# Altium PCB Brake Module PCB.PcbDoc (part 1 of 3) (continued)
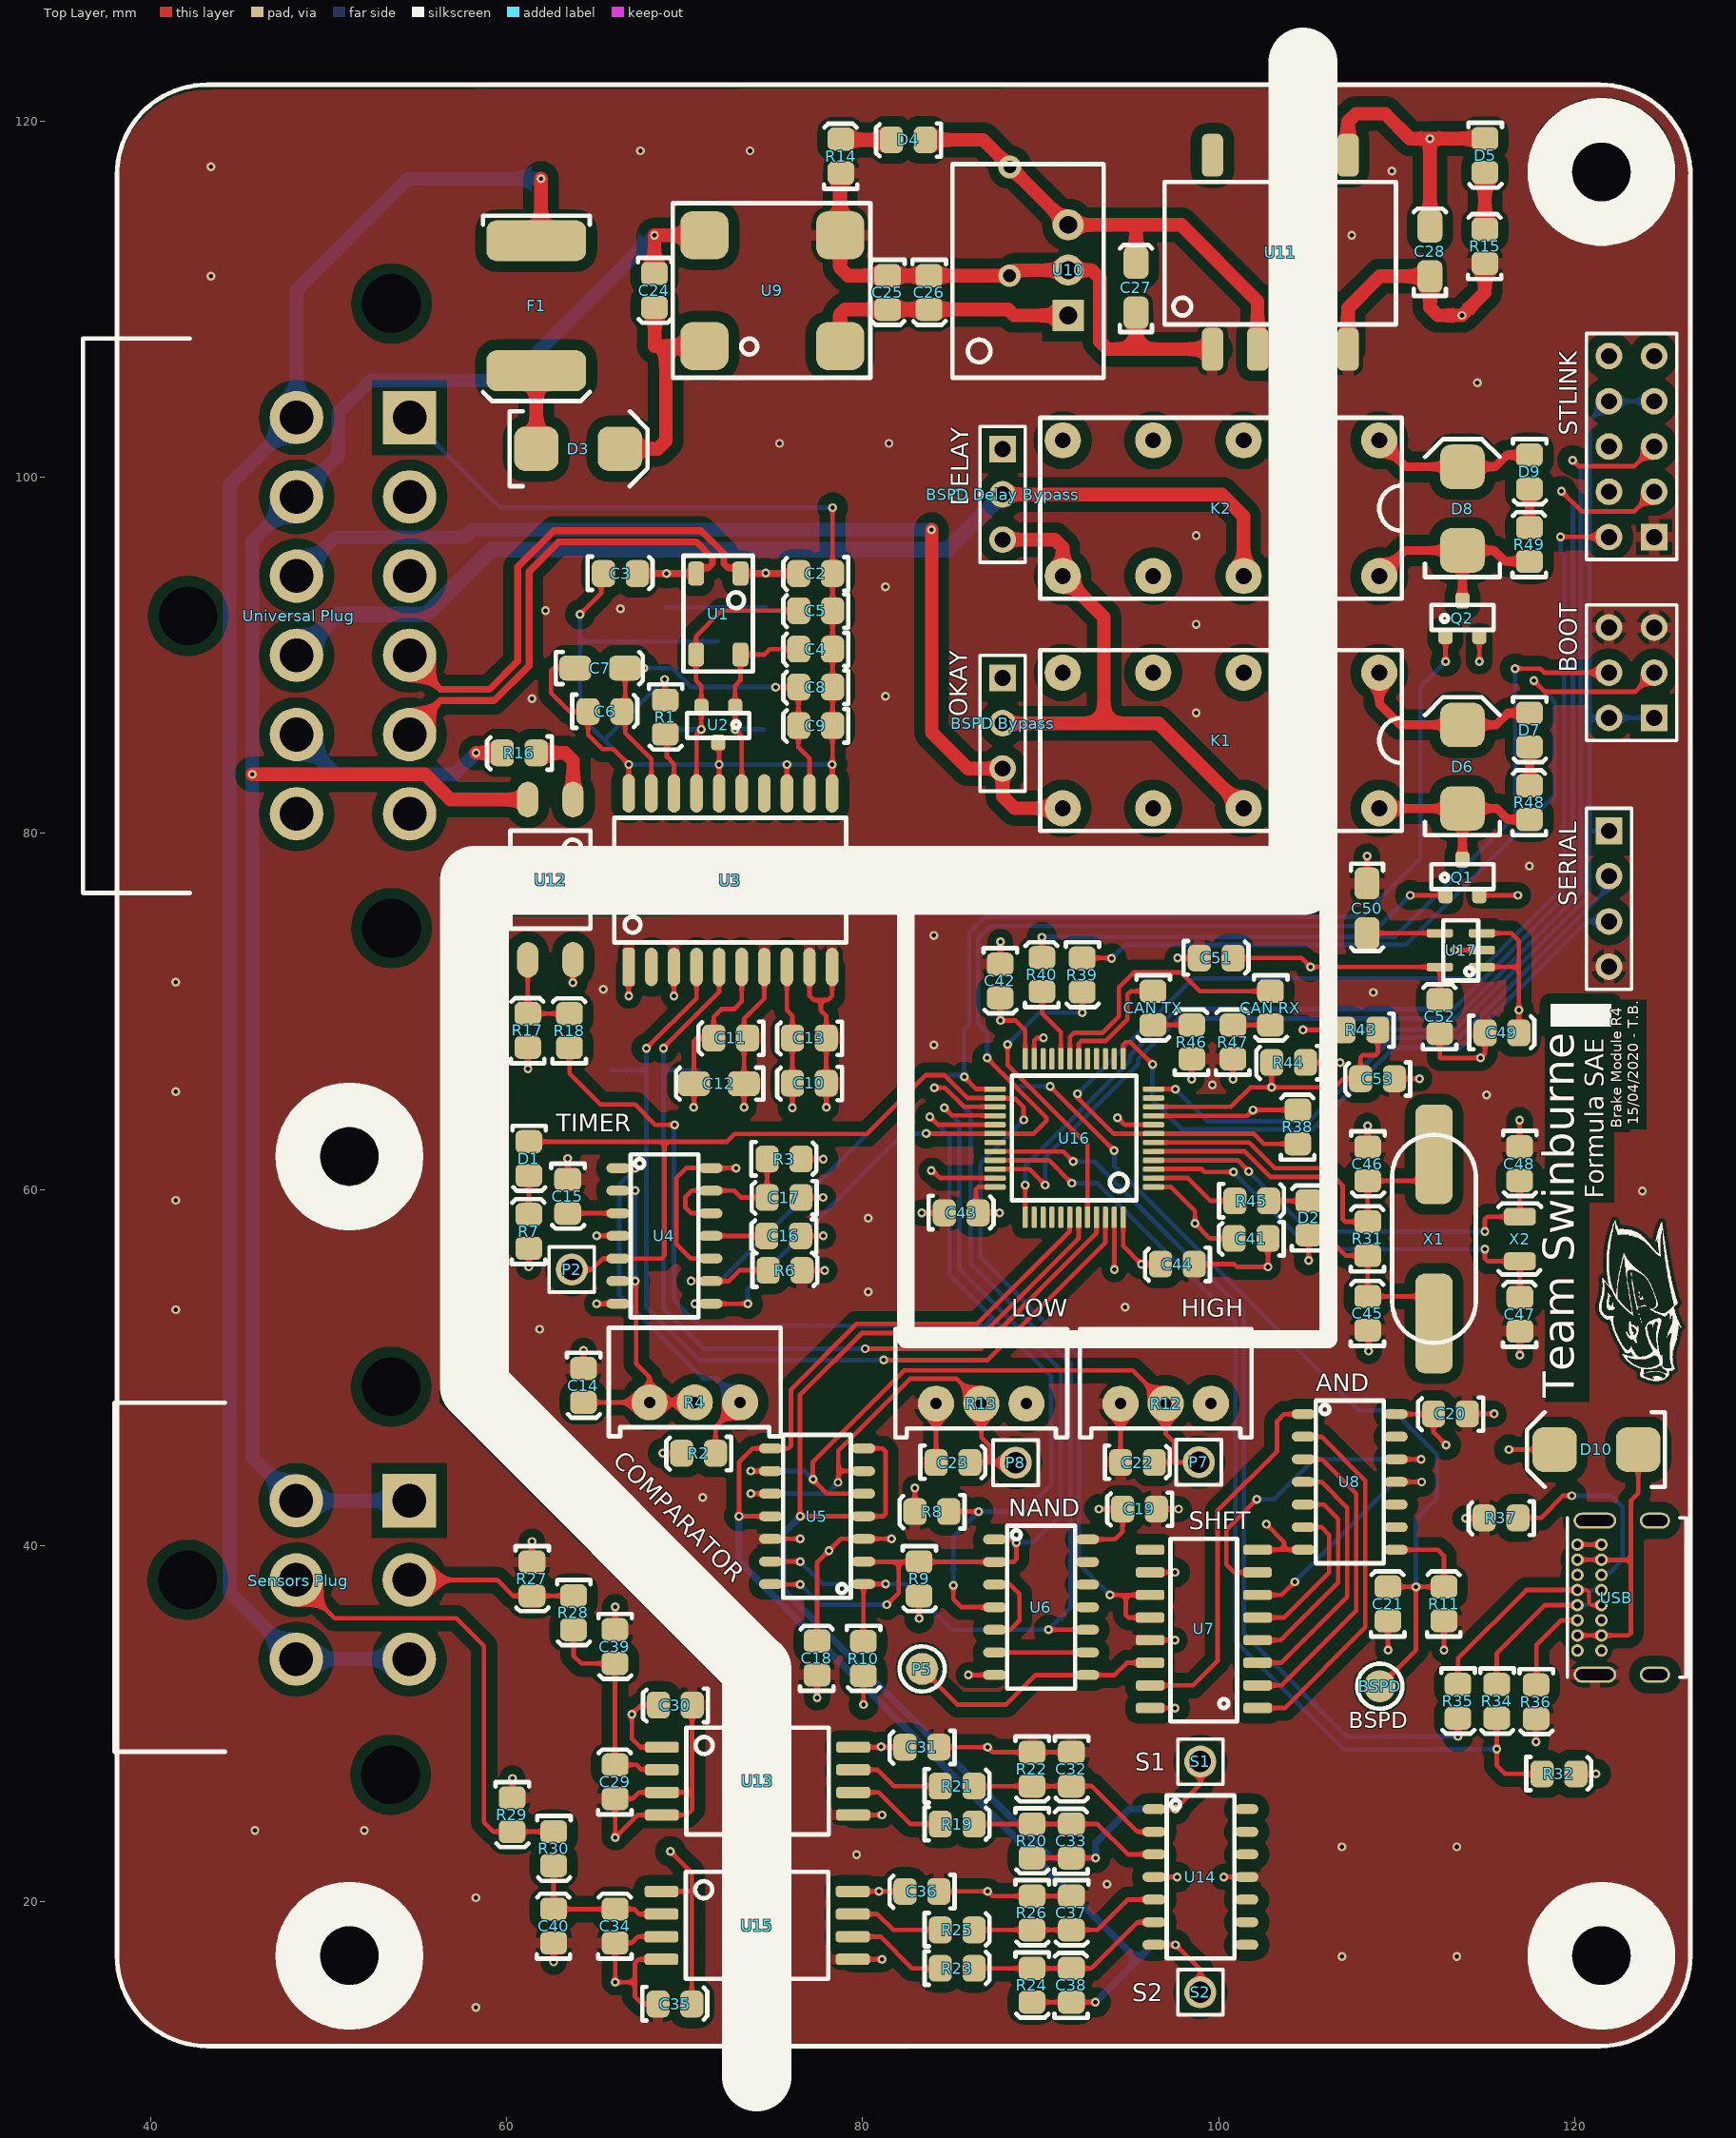
[diagram p0: Top Layer view]
## Design rules (kind name [scope] priority, off if disabled: settings)
Clearance [All] p1: gap=0.254 ignorepadtopadclearanceinfootprint=FALSE except(0: Arc-Hole Track-Hole SMDPad-Hole THPad-Hole Via-Hole Fill-Hole Poly-Hole Region-Hole Text-Hole; 0.1: THPad-THPad; 0.152: Arc-SMDPad Track-SMDPad SMDPad-SMDPad; 0.2: Arc-THPad Track-THPad SMDPad-THPad THPad-Via; 0.203: Arc-Arc Arc-Track Arc-Region Track-Track Track-Region SMDPad-Region THPad-Region Via-Region Fill-Region Poly-Region Region-Region; 0.6: Arc-Poly Track-Poly SMDPad-Poly THPad-Poly Via-Poly Fill-Poly Poly-Poly)
Clearance Clearance_CAN [InNet('CANL') or InNet('CANH')] p2: gap=0.5 ignorepadtopadclearanceinfootprint=FALSE except(0.1: Arc-THPad Arc-Hole Track-THPad Track-Hole SMDPad-THPad SMDPad-Hole THPad-THPad THPad-Hole Via-Hole Fill-Hole Poly-Hole Region-Hole Text-Hole; 0.152: Arc-SMDPad Track-SMDPad SMDPad-SMDPad; 0.2: THPad-Via; 0.203: Arc-Arc Arc-Track Track-Track; 0.254: Arc-Via Arc-Text Track-Via Track-Text SMDPad-Via SMDPad-Text THPad-Text Via-Via Via-Text Fill-Text Poly-Text Region-Text Text-Text) // DiffPair
DiffPairsRouting [InDifferentialPair('CANBUS')] p1: maxlimit=0.254 minlimit=0.254 mostfreqgap=0.254 toplayer_minwidth=0.381 toplayer_maxwidth=0.381 toplayer_prefwidth=0.381 bottomlayer_minwidth=0.381 bottomlayer_maxwidth=0.381 bottomlayer_prefwidth=0.381 maxuncoupledlength=12.7
Height [All] p1: minheight=0 maxheight=50 prefheight=12.7
HoleSize [All] p1: absolutevalues=TRUE maxlimit=10 minlimit=0.025 maxpercent=80.000 minpercent=20.000
MatchedLengths [InDifferentialPair('No Differential Pair')] p1: tolerance=25.4 checknetsindiffpair=FALSE checkdiffpairvsdiffpair=TRUE checkxsignals=TRUE checkothers=TRUE
MinimumSolderMaskSliver [All] p1: minsoldermaskwidth=0
PlaneClearance [All] p1: clearance=0.254
PlaneConnect [All] p1: pad.planeconnectstyle=Relief pad.reliefexpansion=0.508 pad.reliefentries=4 pad.reliefconductorwidth=0.8 pad.reliefairgap=0.254 via.planeconnectstyle=Direct via.reliefexpansion=0.508 via.reliefentries=4 via.reliefconductorwidth=0.8 via.reliefairgap=0.254
PolygonConnect [All] p1: thpad.connectstyle=Relief thpad.reliefconductorwidth=0.6 thpad.reliefentries=4 thpad.polygonreliefangle="90 Angle" thpad.airgapwidth=0.254 smdpad.connectstyle=Relief smdpad.reliefconductorwidth=0.6 smdpad.reliefentries=4 smdpad.polygonreliefangle="90 Angle" smdpad.airgapwidth=0.254 via.connectstyle=Direct via.reliefconductorwidth=0.6 via.reliefentries=4 via.polygonreliefangle="90 Angle" via.airgapwidth=0.254
RoutingVias [All] p1: holewidth=0.711 width=1.27 viastyle="Through Hole" minholewidth=0.203 minwidth=0.254 maxholewidth=0.711 maxwidth=1.27
SilkToSolderMaskClearance [IsPad] p1: minsilkscreentomaskgap=0 clearancetoexposedcopper=TRUE
SolderMaskExpansion [All] p1: expansion=0.051 istentingtop=FALSE
Width [All] p1: maxlimit=3 minlimit=0.127 preferedwidth=0.5
23 further rules are at their usual default settings.

## Classes and differential pairs
component class "U_Safety Loops": "BSPD Bypass" "BSPD Delay Bypass" D6 D7 D8 D9 K1 K2 Q1 Q2 R48 R49
component class "U_Power Supply": 0V "0V (ISO)" 5V "5V (ISO)" C24 C25 C26 C27 C28 D3 D4 D5 F1 GLV+ GLV- R14 R15 U9 U10 U11
component class U_Microcontroller: BOOT C41 C42 C43 C44 C45 C46 C47 C48 C49 C50 C51 C52 C53 "CAN RX" "CAN TX" D2 D10 R31 R32 R34 R35 R36 R37 R38 R39 R40 R43 R44 R45 R46 R47 SERIAL STLINK TEMP U16 U17 USB X1 X2
component class "U_Input Filter": C39 C40 R27 R28 R29 R30
component class U_CAN: C1 C2 C3 C4 C5 C6 C7 C8 C9 C10 C11 C12 C13 "CAN RX" "CAN TERM R1" "CAN TERM R2" "CAN TX" CANH CANL R1 U1 U2 U3
component class U_BSPD: 5kW BSPD C14 C15 C16 C17 C18 C19 C20 C21 C22 C23 Clock D1 "High P" "Low P" P2 P5 P7 P8 R2 R3 R4 R6 R7 R8 R9 R10 R11 R12 R13 S1 S2 U4 U5 U6 U7 U8
component class "Top Level": "Sensors Plug" "U_Sensor Plug" "Universal Plug"
component class U_Isolation: C29 C30 C31 C32 C33 C34 C35 C36 C37 C38 R16 R17 R18 R19 R20 R21 R22 R23 R24 R25 R26 "S1 AMP" "S2 AMP" U12 U13 U14 U15
differential pair CANBUS: +CANH_P -CANL_N

## Components (designator, comment, footprint, x,y, rotation, side; value= is the part's Value field where it differs from the comment)
0V "0mm" "SMD Test Point" 88.25,111.325 r90 bottom (schematic designator "0V TP")
"0V (ISO)" "0mm" "SMD Test Point" 113.665,109.094 r90 bottom (schematic designator "0V (ISO) TP")
5kW "0mm" "SMD Test Point" 85.097,37.759 r180 bottom
5V "0mm" "SMD Test Point" 88.265,117.424 r90 bottom (schematic designator "5V TP")
"5V (ISO)" "0mm" "SMD Test Point" 111.862,119.022 r90 bottom (schematic designator "5V (ISO) TP")
BOOT "2.54mm" "TH 2.54mm Header 2x3" 124.46,86.488 r90 top
BSPD "0mm" "SMD Test Point" 109.049,32.099 r90 top
"BSPD Bypass" "2.54mm" "TH 2.54mm Header 1x3" 87.859,88.723 r270 top
"BSPD Delay Bypass" "2.54mm" "TH 2.54mm Header 1x3" 87.859,101.575 r270 top
C1 "22pF" 0805 71.806,91.731 r270 bottom
C2 "100pF" 0805 77.343,94.567 r180 top
C3 "100pF" 0805 66.396,94.619 r0 top
C4 "100pF" 0805 77.343,90.323 r180 top
C5 "100pF" 0805 77.343,92.482 r180 top
C6 "100nF" 0805 65.532,86.868 r0 top
C7 "10nF" 1206 66.45,89.282 r0 top
C8 "10uF" 0805 77.343,88.189 r180 top
C9 "100nF" 0805 77.343,86.03 r180 top
C10 "10uF" 0805 76.989,65.939 r180 top
C11 "100nF" 0805 72.568,68.479 r180 top
C12 "10nF" 1206 70.718,65.939 r180 top
C13 "100nF" 0805 76.989,68.479 r180 top
C14 "10uF" 0805 64.338,48.979 r270 top
C15 "10pF" 0805 63.449,59.601 r270 top
C16 "100pF" 0805 75.547,57.367 r180 top
C17 "10uF" 0805 75.566,59.524 r180 top
C18 "100nF" 0805 77.409,33.695 r90 top
C19 "100nF" 0805 95.535,42.025 r180 top
C20 "100nF" 0805 113.005,47.372 r180 top
C21 "100nF" 0805 109.481,36.743 r90 top
C22 "100nF" 0805 95.447,44.693 r0 top
C23 "100nF" 0805 85.084,44.693 r0 top
C24 "10uF" 0805 68.322,110.475 r270 top
C25 "10uF" 0805 81.425,110.364 r270 top
C26 "10uF" 0805 83.75,110.364 r270 top
C27 "22uF" 1206 95.35,111.85 r90 top
C28 "22uF" 1206 111.862,113.889 r90 top
C29 "100nF" 0805 66.065,26.746 r90 top
C30 "100nF" 0805 69.457,31.013 r180 top
C31 "100nF" 0805 83.312,28.65 r180 top
C32 "100pF" 0805 91.746,27.429 r270 top
C33 "100pF" 0805 91.693,23.42 r90 top
C34 "100nF" 0805 66.065,18.644 r90 top
C35 "100nF" 0805 69.462,14.275 r0 top
C36 "100nF" 0805 83.312,20.549 r180 top
C37 "100pF" 0805 91.746,19.352 r270 top
C38 "100pF" 0805 91.693,15.317 r90 top
C39 "100nF" 0805 66.102,34.314 r270 top
C40 "100nF" 0805 62.609,18.644 r90 top
C41 "1uF" 0805 101.803,57.226 r180 top
C42 "100nF" 0805 87.741,71.697 r270 top
C43 "100nF" 0805 85.547,58.71 r0 top
C44 "100nF" 0805 97.663,55.778 r180 top
C45 "22pF" 0805 108.342,53.058 r90 top
C46 "22pF" 0805 108.394,61.42 r270 top
C47 "22pF" 0805 116.89,53.004 r90 top
C48 "22pF" 0805 116.927,61.435 r270 top
C49 "1uF" 0805 115.925,68.825 r0 top
C50 "22uF" 1206 108.33,74.592 r270 top
C51 "100nF" 0805 99.873,73.026 r0 top
C52 "1uF" 0805 112.394,69.723 r90 top
C53 "100nF" 0805 108.908,66.192 r180 top
"CAN RX" "0mm" "SMD Test Point" 65.837,66.7 r90 bottom (schematic designator "CAN RX TP")
"CAN RX" "Blue" "0805 LED" 102.932,70.176 r270 top
"CAN TERM R1" "56R" 0805 68.996,93.655 r90 bottom
"CAN TERM R2" "56R" 0805 74.523,93.631 r270 bottom
"CAN TX" "0mm" "SMD Test Point" 70.79,66.7 r90 bottom (schematic designator "CAN TX TP")
"CAN TX" "Blue" "0805 LED" 96.328,70.176 r270 top
CANH "0mm" "SMD Test Point" 68.758,85.839 r90 bottom (schematic designator "CANH TP")
CANL "0mm" "SMD Test Point" 74.447,85.839 r90 bottom (schematic designator "CANL TP")
Clock "0mm" "SMD Test Point" 93.892,37.225 r180 bottom (schematic designator P1)
D1 "Yellow" "0805 LED" 61.266,61.722 r270 top
D2 "Red" "0805 LED" 105.029,58.42 r90 top
D3 "SD560BTR" "SMB Diode" 61.91,101.601 r0 top
D4 "Red" "0805 LED" 82.55,118.925 r180 top
D5 "Red" "0805 LED" 114.981,118.06 r270 top
D6 "SD560BTR" "SMB Diode" 113.69,81.645 r90 top
D7 "Green" "0805 LED" 117.481,85.795 r270 top
D8 "SD560BTR" "SMB Diode" 113.69,96.14 r90 top
D9 "Green" "0805 LED" 117.481,100.29 r270 top
D10 "SD560BTR" "SMB Diode" 123.317,45.39 r180 top
F1 "0ZCF0100AF2A" 2920 61.66,113.285 r270 top
GLV+ "0mm" "SMD Test Point" 61.925,116.775 r90 bottom (schematic designator "GLV+ TP")
GLV- "0mm" "SMD Test Point" 68.296,113.594 r90 bottom (schematic designator "GLV- TP")
"High P" "0mm" "SMD Test Point" 88.628,40.172 r180 bottom (schematic designator P9)
K1 "V23105A5475A201" "TI 2-DIL" 100.127,85.218 r180 top
K2 "V23105A5475A201" "TI 2-DIL" 100.127,98.265 r180 top
"Low P" "0mm" "SMD Test Point" 90.449,35.281 r180 bottom (schematic designator P11)
P2 "0mm" "TH Test Point" 63.652,55.499 r0 top
P5 "0mm" "SMD Test Point" 83.337,33.071 r90 top
P7 "0mm" "TH Test Point" 98.882,44.679 r270 top
P8 "0mm" "TH Test Point" 88.595,44.654 r270 top
Q1 "2N7002K" "ON SOT-23 MOSFET" 113.69,77.521 r0 top
Q2 "2N7002K" "ON SOT-23 MOSFET" 113.69,92.076 r0 top
R1 "0R" 0805 68.935,86.515 r270 top
R2 "10k" 0805 70.764,45.161 r180 top
R3 "1M" 0805 75.59,61.734 r0 top
R4 "10K (Var)" "B 3296" 70.65,48.6 r0 top
R6 "20k" 0805 75.648,55.483 r0 top
R7 "1.5k" 0805 61.214,57.658 r90 top
R8 "20k" 0805 83.871,41.884 r180 top
R9 "3.3k" 0805 83.192,38.117 r270 top
R10 "3.3k" 0805 80.062,33.646 r270 top
R11 "10k" 0805 112.63,36.743 r90 top
R12 "10K (Var)" "B 3296" 97.111,48.528 r0 top
R13 "10K (Var)" "B 3296" 86.748,48.528 r0 top
R14 "680R" 0805 78.75,118.05 r90 top
R15 "680R" 0805 114.929,112.98 r90 top
R16 "680R" 0805 60.689,84.495 r180 top
R17 "10k" 0805 61.157,68.943 r90 top
R18 "100R" 0805 63.5,68.936 r90 top
R19 "10k" 0805 85.319,24.384 r0 top
R20 "10k" 0805 89.535,23.397 r270 top
R21 "10k" 0805 85.319,26.518 r0 top
R22 "10k" 0805 89.535,27.429 r270 top
R23 "10k" 0805 85.319,16.281 r0 top
R24 "10k" 0805 89.535,15.293 r270 top
R25 "10k" 0805 85.319,18.44 r0 top
R26 "10k" 0805 89.535,19.352 r270 top
R27 "200R" 0805 61.443,38.114 r270 top
R28 "1k" 0805 63.779,36.214 r270 top
R29 "200R" 0805 60.325,24.867 r270 top
R30 "1k" 0805 62.662,22.967 r270 top
R31 "10M" 0805 108.342,57.249 r90 top
R32 "1.5k" 0805 119.126,27.203 r0 top
R34 "20R" 0805 115.646,31.243 r270 top
R35 "20R" 0805 113.462,31.243 r270 top
R36 "5.1k" 0805 117.855,31.214 r270 top
R37 "5.1k" 0805 115.848,41.528 r180 top
R38 "10k" 0805 104.419,63.525 r90 top
R39 "10k" 0805 92.355,72.037 r270 top
R40 "10k" 0805 90.043,72.086 r90 top
R43 "10k" 0805 107.974,68.935 r180 top
R44 "10K (NTC) (B25/85 3430K)" 0805 103.911,67.107 r180 top
R45 "510R" 0805 101.865,59.384 r0 top
R46 "510R" 0805 98.461,68.3 r90 top
R47 "510R" 0805 100.773,68.3 r90 top
R48 "680R" 0805 117.429,81.745 r90 top
R49 "680R" 0805 117.429,96.24 r90 top
S1 "0mm" "TH Test Point" 98.968,27.864 r0 top
"S1 AMP" "0mm" "SMD Test Point" 97.578,25.197 r90 bottom (schematic designator "Sensor 1 AMP TP")
S2 "0mm" "TH Test Point" 98.968,14.91 r0 top
"S2 AMP" "0mm" "SMD Test Point" 97.578,17.577 r90 bottom (schematic designator "Sensor 2 AMP TP")
"Sensors Plug" "DT13-6P" DT13-6P 38.075,31.12 r270 top
SERIAL "2.54mm" "TH 2.54mm Header 1x4" 121.92,80.138 r270 top
STLINK "2.54mm" "TH 2.54mm Header 2x5" 124.46,96.648 r90 top
TEMP "0mm" "SMD Test Point" 102.973,65.737 r90 bottom (schematic designator "PCB TEMP")
U1 "B82787C0104H002" "TDK 4-PC Pad" 73.132,94.593 r270 top
U2 "NUP2105L" "ON SOT-23" 71.882,86.106 r180 top
U3 "ADM3053" "AD SOIC-W 20" 72.568,77.369 r0 top
U4 "NE556DR" "TI 14-SOIC" 63.657,42.153 r270 top
U5 "LMV339IDR" "TI 14-SOIC" 82.635,56.885 r90 top
U6 "SN74HC00DR" "TI 14-SOIC" 84.815,21.299 r270 top
U7 "MC74HC595ADR2G" "ON 16-SOIC" 99.286,30.875 r180 top
U8 "CD74HC30M96" "TI 14-SOIC" 102.157,28.335 r270 top
U9 "744272121" "Wurth 4-PC Pad" 78.725,113.594 r180 top
U10 "R-78C5.0-1.0" "RECOM 3-SIP" 91.542,109.094 r90 top
U11 "R2S-0505/HP" "RECOM 8-SMD (5 Pin)" 103.454,112.585 r0 top
U12 "LTV-817S-TA1" "ON 4-SMD" 62.453,77.147 r270 top
U13 "ACPL-C870" "BROAD 8-SOIC" 74.092,26.772 r270 top
U14 "LM324D" "TI 14-SOIC" 93.768,6.147 r270 top
U15 "ACPL-C870" "BROAD 8-SOIC" 74.066,18.669 r270 top
U16 "STM32F103C8T6" "STM 48-LQFP" 91.883,62.888 r90 top
U17 "RT9193-33GB" "RICHTEK SOT-23-5" 113.783,73.492 r90 top
"Universal Plug" "DT13-12P" DT13-12P 48.195,103.35 r270 top
USB "USB4085-GF-A" USB4085-GF-A 124.175,36.95 r90 top
X1 "8MHz" "Abracon HC-49/US" 112.09,57.225 r90 top
X2 "32.768kHz" "EPSON 2-SMD" 116.916,57.221 r90 top

## Footprints (in the part's own frame and the unit in brackets; to place one, negate y for a bottom-side part, rotate by r counter-clockwise, add the part's x,y. Pads: shape width x height; smd on the part's side, far side on the other; paste and mask are expansions set on the pad)
0805 [mm]
  rrect50% 1.3x1.5 smd: 1(-0.962,-0.026) 2(0.938,-0.026)
  silkscreen extent -1.85,-0.95 1.8,0.93, body extent -1,-0.65 1,0.66, height 0.73
"0805 LED" [mm]
  rrect50% 1.3x1.5 smd: A(-0.962,-0.026) K(0.938,-0.026)
  silkscreen extent -1.85,-0.95 1.8,0.93, body extent -1.1,-0.62 0.9,0.62, height 1
1206 [mm]
  rrect50% 1.8x1.4 smd: 1(-2.6,0) 2(0.2,0)
  silkscreen extent -3.7,-0.9 1.2,0.9, body extent -2.9,-0.9 0.5,0.9, height 1.85
2920 [mm]
  rrect50% 2.3x5.6 smd: 1(0,0) 2(7.3,0)
  silkscreen extent -1.4,-3 9,3, body extent -0.34,-2.81 7.64,2.81, height 1.14
"Abracon HC-49/US" [mm]
  rrect50% 5.6x2.1 smd: 1(-4.75,0) 2(4.75,0)
  silkscreen extent -5.85,-2.35 5.85,2.35, body extent -6.35,-2.35 6.35,2.35, height 4.06
"AD SOIC-W 20" [mil]
  rrect50% 28x85 smd: 1(-225,-192.02)
  oval 28x85 smd: 2(-175,-192.02) 3(-125,-192.02) 4(-75,-192.02) 5(-25,-192.02) 6(25,-192.02) 7(75,-192.02) 8(125,-192.02) 9(175,-192.02) 10(225,-192.02) 11(225,192.02) 12(175,191.98) 13(125,191.98) 14(75,191.98) 15(25,191.98) 16(-25,191.98) 17(-75,191.98) 18(-125,191.98) 19(-175,191.98) 20(-225,191.98)
  silkscreen extent -257,-138 256,138, body extent -260,-210 260,210, height 105
"B 3296" [mil]
  round 80 hole 25.2: 1(-103.39,-22) 2(-3.39,-22) 3(96.61,-22)
  silkscreen extent -193,-97 187,143, body extent -191,-97 184,143, height 455
"BROAD 8-SOIC" [mm]
  rrect50% 0.64x1.905 smd: 1(-1.905,-5.372) 2(-0.635,-5.372) 3(0.635,-5.372) 4(1.905,-5.372) 5(1.905,5.372) 6(0.635,5.372) 7(-0.635,5.372) 8(-1.905,5.372)
  silkscreen extent -3,-4 3,4, body extent -2.92,-5.75 2.92,5.75, height 3.68
DT13-6P [mm]
  round 3 hole 3.3 unplated: 0(-17.805,15.43) 0(-6.95,4) 0(4,15.4)
  rect 3x3 hole 1.9: 1(-11.4,16.45)
  round 3 hole 1.9: 2(-6.95,16.45) 3(-2.5,16.45) 4(-2.5,10.1) 5(-6.95,10.1) 6(-11.4,10.1)
  silkscreen extent -16.9,-0.1 2.7,6.1, body extent -29.9,-19.9 12.9,19.6, height 35.63
DT13-12P [mm]
  round 3 hole 3.3 unplated: 0(-6.405,5.33) 0(11.135,-6.1) 0(28.675,5.33)
  rect 3x3 hole 1.9: 1(0,6.35)
  round 3 hole 1.9: 2(4.45,6.35) 3(8.9,6.35) 4(13.35,6.35) 5(17.8,6.35) 6(22.25,6.35) 7(22.25,0) 8(17.8,0) 9(13.35,0) 10(8.9,0) 11(4.45,0) 12(0,0)
  silkscreen extent -4.45,-12 26.7,-6, body extent -18.6,-34.7 40.6,9.5, height 37.63
"EPSON 2-SMD" [mm]
  rrect50% 1x1.8 smd: 1(-1.25,0) 2(1.25,0)
  silkscreen extent -2,-1.2 2,1.2, body extent -1.5,-1 1.5,1, height 1
"ON 4-SMD" [mm] "SOP, 4-Leads, Body 3.85x4.4mm, Pitch 2.54mm, IPC Medium Density"
  oval 2x1.2 smd: 1(-4.75,1.27) 2(-4.75,-1.27) 3(4.25,-1.27) 4(4.25,1.27)
  silkscreen extent -3,-2.25 2.5,2.25, body extent -5.33,-2.3 4.83,2.3, height 4.6
"ON 16-SOIC" [mm]
  rrect50% 1.6x0.58 smd: 1(-2.89,0) 2(-2.89,-1.27) 3(-2.89,-2.54) 4(-2.89,-3.81) 5(-2.89,-5.08) 6(-2.89,-6.35) 7(-2.89,-7.62) 8(-2.89,-8.89) 9(3.14,-8.89) 10(3.14,-7.62) 11(3.14,-6.35) 12(3.14,-5.08) 13(3.14,-3.81) 14(3.14,-2.54) 15(3.14,-1.27) 16(3.14,0)
  silkscreen extent -1.75,-9.5 2,0.75, body extent -3.09,-9.4 3.14,0.6, height 1.75
"ON SOT-23" [mm] "NUP2105L"
  rrect50% 0.8x0.9 smd: 1(-0.95,-1) 2(0.95,-1) 3(0,1)
  silkscreen extent -1.75,-0.65 1.75,0.75, body extent -1.5,-1.27 1.5,1.28, height 1
"ON SOT-23 MOSFET" [mm] "NUP2105L"
  rrect50% 0.8x0.9 smd: D(0,1) G(-0.95,-1) S(0.95,-1)
  silkscreen extent -1.75,-0.65 1.75,0.75, body extent -1.5,-1.27 1.5,1.28, height 1
"RECOM 3-SIP" [mm] "12 to 42 Vdc In, 9 Vdc Out"
  rect 1.75x1.75 hole 1: 1(0,0)
  round 1.75 hole 1: 2(2.54,0) 3(5.08,0)
  silkscreen extent -3.5,-2 8.5,6.5, body extent -3.26,-2.02 8.34,6.48, height 11.41
"RECOM 8-SMD (5 Pin)" [mm]
  rrect50% 1.2x2.4 smd: 1(-3.81,-5.4) 2(-1.27,-5.4) 4(3.81,-5.4) 5(3.81,5.5) 8(-3.81,5.5)
  silkscreen extent -6.5,-4 6.5,4, body extent -6.37,-5.55 6.38,5.55, height 9.2
"RICHTEK SOT-23-5" [mil]
  rrect50% 19x58 smd: 1(-39.37,-39.37) 2(-1.97,-39.37) 3(35.43,-39.37) 4(35.43,53.63) 5(-39.37,53.63)
  silkscreen extent -69,-31 64,46, body extent -62,-51 58,67, height 57
"SMB Diode" [mm]
  rrect50% 2.5x2.5 smd: A(-0.25,0) K(4.45,0)
  silkscreen extent -1.75,-2.1 6,2.1, body extent -0.69,-1.97 4.9,1.97, height 2.5
"SMD Test Point" [mm]
  round 1.8 smd: 1(0,0)
  silkscreen extent -1.27,-1.27 1.27,1.27
"STM 48-LQFP" [mm]
  rrect50% 0.3x1.2 smd mask+0.05: 1(-2.75,-4.45) 2(-2.25,-4.45) 3(-1.75,-4.45) 4(-1.25,-4.45) 5(-0.75,-4.45) 6(-0.25,-4.45) 7(0.25,-4.45) 8(0.75,-4.45) 9(1.25,-4.45) 10(1.75,-4.45) 11(2.25,-4.45) 12(2.75,-4.45) 25(2.75,4.45) 26(2.25,4.45) 27(1.75,4.45) 28(1.25,4.45) 29(0.75,4.45) 30(0.25,4.45) 31(-0.25,4.45) 32(-0.75,4.45) 33(-1.25,4.45) 34(-1.75,4.45) 35(-2.25,4.45) 36(-2.75,4.45)
  rrect50% 1.2x0.3 smd mask+0.05: 13(4.45,-2.75) 14(4.45,-2.25) 15(4.45,-1.75) 16(4.45,-1.25) 17(4.45,-0.75) 18(4.45,-0.25) 19(4.45,0.25) 20(4.45,0.75) 21(4.45,1.25) 22(4.45,1.75) 23(4.45,2.25) 24(4.45,2.75) 37(-4.45,2.75) 38(-4.45,2.25) 39(-4.45,1.75) 40(-4.45,1.25) 41(-4.45,0.75) 42(-4.45,0.25) 43(-4.45,-0.25) 44(-4.45,-0.75) 45(-4.45,-1.25) 46(-4.45,-1.75) 47(-4.45,-2.25) 48(-4.45,-2.75)
  silkscreen extent -3.5,-3.5 3.5,3.5, body extent -4.6,-4.6 4.6,4.6, height 1.6
"TDK 4-PC Pad" [mm]
  rrect50% 1.35x0.9 smd: 1(0,0) 2(0,-2.5) 3(4.55,-2.5) 4(4.55,0)
  silkscreen extent -1,-3.2 5.5,0.7, body extent -0.02,-2.82 4.48,0.38, height 2.8
"TH 2.54mm Header 1x3" [mm]
  rect 1.5x1.5 hole 0.9: 1(0,0)
  round 1.5 hole 0.9: 2(2.54,0) 3(5.08,0)
  silkscreen extent -1.27,-1.27 6.35,1.27
"TH 2.54mm Header 1x4" [mm]
  rect 1.5x1.5 hole 0.9: 1(0,0)
  round 1.5 hole 0.9: 2(2.54,0) 3(5.08,0) 4(7.62,0)
  silkscreen extent -1.27,-1.27 8.89,1.27
"TH 2.54mm Header 2x3" [mm]
  rect 1.5x1.5 hole 0.9: 1(0,0)
  round 1.5 hole 0.9: 2(0,2.54) 3(2.54,0) 4(2.54,2.54) 5(5.08,0) 6(5.08,2.54)
  silkscreen extent -1.27,-1.27 6.35,3.81
"TH 2.54mm Header 2x5" [mm]
  rect 1.5x1.5 hole 0.9: 1(0,0)
  round 1.5 hole 0.9: 2(0,2.54) 3(2.54,0) 4(2.54,2.54) 5(5.08,0) 6(5.08,2.54) 7(7.62,0) 8(7.62,2.54) 9(10.16,0) 10(10.16,2.54)
  silkscreen extent -1.27,-1.27 11.43,3.81
"TH Test Point" [mm]
  round 1.8 hole 1.2: 1(0,0)
  silkscreen extent -1.27,-1.27 1.27,1.27
"TI 2-DIL" [mil]
  round 80 hole 35.43: 1(-350,-150) 4(-50,-150) 6(150,-150) 8(350,-150) 9(350,150) 11(150,150) 13(-50,150) 16(-350,150)
  silkscreen extent -400,-200 400,200, body extent -398,-197 398,197, height 450
"TI 14-SOIC" [mil]
  oval 22x52 smd: 1(-750,102.36) 2(-700,102.36) 3(-650,102.36) 4(-600,102.36) 5(-550,102.36) 6(-500,102.36) 7(-450,102.36) 8(-450,307.09) 9(-500,307.09) 10(-550,307.09) 11(-600,307.09) 12(-650,307.09) 13(-700,307.09) 14(-750,307.09)
  silkscreen extent -780,130 -420,280, body extent -770,86 -430,323, height 69
USB4085-GF-A [mm]
  round 0.7 hole 0.4: A1(-2.848,4.025) A4(-1.998,4.025) A5(-1.148,4.025) A6(-0.298,4.025) A7(0.552,4.025) A8(1.402,4.025) A9(2.252,4.025) A12(3.102,4.025) B1(3.102,2.675) B4(2.252,2.675) B5(1.402,2.675) B6(0.552,2.675) B7(-0.298,2.675) B8(-1.148,2.675) B9(-1.998,2.675) B12(-2.848,2.675)
  oval 0.9x2.4 hole 0.6 slot 2.1 at 90 deg: P1(-4.198,3.045) P2(4.452,3.045)
  oval 0.9x1.7 hole 0.6 slot 1.4 at 90 deg: P3(4.452,-0.335) P4(-4.198,-0.335)
  silkscreen extent -4.35,-2.07 4.6,4.58, body extent -4.39,-4.56 4.64,4.61, height 3.46
"Wurth 4-PC Pad" [mm]
  rrect50% 2.7x2.7 smd: 1(7.62,6.22) 2(0,6.22) 3(0,0) 4(7.62,0)
  silkscreen extent -1.7,-1.8 9.4,8, body extent -1.19,-1.24 8.81,7.46, height 6.2

## Part data
0V "0V (ISO)" 5kW 5V "5V (ISO)" BSPD "CAN RX" "CAN TX" CANH CANL Clock GLV+ GLV- "High P" "Low P" P5 "S1 AMP" "S2 AMP" TEMP: library part "SMD Test Point", Angle=0, Contact=NA, Flange=No, Part Number="SMD Test Point", Pitch=0mm, Positions=1, Row Spacing=0
BOOT: library part "TH 2.54mm Header 2x3", Angle=0, Contact=NA, Flange=No, Part Number="TH 2.54mm Header 2x3", Pitch=2.54mm, Positions=6, Row Spacing=2.54mm
"BSPD Bypass" "BSPD Delay Bypass": library part "TH 2.54mm Header 1x3", Angle=0, Contact=NA, Flange=No, Part Number="TH 2.54mm Header 1x3", Pitch=2.54mm, Positions=3, Row Spacing=2.54mm
C1 C45 C46 C47 C48: library part GRM21A5C2E220JW01D, Digikey Part Number=490-5534-1-ND, Manufacturer=muRata, Rated Voltage=250V, Tolerance=±5%, Material="C0G, NP0", Part Number=GRM21A5C2E220JW01D
C2 C3 C4 C5 C16 C32 C33 C37 C38: library part GCM2165C1H101JA16D, Digikey Part Number=490-8031-1-ND, Manufacturer=muRata, Rated Voltage=50V, Tolerance=±5%, Material="C0G, NP0", Part Number=GCM2165C1H101JA16D
C6 C9 C11 C13 C18 C20 C21 C22 C23 C29 C30 C31 C34 C35 C36 C39 C40 C42 C43 C44 C51 C53: library part GCM21BR71H104KA37L, Digikey Part Number=490-6064-1-ND, Manufacturer=muRata, Rated Voltage=50V, Tolerance=±10%, Material=X7R, Part Number=GCM21BR71H104KA37L
C7 C12: library part GCM3195C2A103JA16D, Digikey Part Number=490-4978-2-ND, Manufacturer=muRata, Rated Voltage=100V, Tolerance=5%, Material=Ceramic, Part Number=GCM3195C2A103JA16D
C8 C10 C14 C17 C24 C25 C26: library part GRM21BR6YA106KE43L, Digikey Part Number=490-10514-6-ND, Manufacturer=muRata, Rated Voltage=50V, Tolerance=10%, Material=X5R, Part Number=GRM21BR6YA106KE43L
C15: library part GRM21A5C2E100JW01D, Digikey Part Number=490-5530-1-ND, Manufacturer=muRata, Rated Voltage=250V, Tolerance=±5%, Material="C0G, NP0", Part Number=GRM21A5C2E100JW01D
C19: library part GCM21BR71E104KA37L, Manufacturer=muRata, Rated Voltage=25V, Tolerance=10%, Material=X7R, Part Number=GCM21BR71E104KA37L
C27 C28 C50: library part CC1206MKX5R7BB226, Digikey Part Number=311-1997-2-ND, Manufacturer=YAGEO, Rated Voltage=16V, Tolerance=20%, Material=Ceramic, Part Number=CC1206MKX5R7BB226
C41 C49 C52: library part AC0805KKX7R8BB105, Manufacturer=YAGEO, Rated Voltage=25V, Tolerance=10%, Material=X7R, Part Number=AC0805KKX7R8BB105
"CAN RX" "CAN TX": library part SML-MN2BCTT86C, "LED BLUE CLEAR 2012 SMD", Digikey Part Number=846-1207-1-ND, Manufacturer="ROHM Semiconductor", Colour=Blue, Digikey Link=https://www.digikey.com/product-detail/en/rohm-semiconductor/SMLMN2BCTT86C/846-1207-1-ND/6057239, Part Number=SML-MN2BCTT86C
"CAN TERM R1" "CAN TERM R2": library part RC0805FR0756RL, Manufacturer=YAGEO, Rated Voltage=0.125W, Tolerance=0.01, Material=FR-07, Part Number=RC0805FR0756RL
D1: library part SML-211YTT86, "Yellow LED Indication - Discrete 1.75V 0805 (2012 Metric)", Digikey Part Number=511-1293-1-ND, Manufacturer="ROHM Semiconductor", Colour=Yellow, Digikey Link=https://www.digikey.com/product-detail/en/rohm-semiconductor/SML-211YTT86/511-1293-1-ND/637106, Part Number=SML-211YTT86
D2 D4 D5: library part SML-210LTT86, "Red LED Indication - Discrete 1.75V 0805 (2012 Metric)", Digikey Part Number=511-1286-1-ND, Manufacturer="ROHM Semiconductor", Colour=Red, Digikey Link=https://www.digikey.com/product-detail/en/rohm-semiconductor/SML-210LTT86/511-1286-1-ND/637099, Part Number=SML-210LTT86
D3 D6 D8 D10: "1.2V_F 600V 5A SMB", Digikey Part Number=1655-1530-2-ND, Manufacturer="SMC Diode Solutions", Digikey Link=https://www.digikey.com/product-detail/en/smc-diode-solutions/SD560BTR/1655-1530-2-ND/6022620, Part Number=SD560BTR
D7 D9: library part SML-210FTT86, "Green LED Indication - Discrete 1.75V 0805 (2012 Metric)", Digikey Part Number=511-1285-1-ND, Manufacturer="ROHM Semiconductor", Colour=Green, Digikey Link=https://www.digikey.com/product-detail/en/rohm-semiconductor/SML-210FTT86/511-1285-1-ND/637098, Part Number=SML-210FTT86
F1: "PTC RESET FUSE 60V 1A 292", Digikey Part Number=507-2070-1-ND, Manufacturer="Littelfuse Inc.", Digikey Link=https://www.digikey.com/product-detail/en/bel-fuse-inc/0ZCF0100AF2A/507-2070-1-ND/6210547, Part Number=0ZCF0100AF2A
K1 K2: "5V DPDT Relay 3A 220VDC", Digikey Part Number=PB383-ND, Manufacturer=Axicom, Digikey Link=https://www.digikey.com/products/en?mpart=V23105A5001A201&v=41, Part Number=V23105A5475A201
P2 P7 P8 S1 S2: library part "TH Test Point", Angle=0, Contact=NA, Flange=No, Part Number="TH Test Point", Pitch=0mm, Positions=1, Row Spacing=0mm
Q1 Q2: "60V 380mA, NFET MOSTFET (Small Signal)", Digikey Part Number=2N7002KCT-ND, Manufacturer="ON Semiconductor", Digikey Link=https://www.digikey.com/product-detail/en/on-semiconductor/2N7002K/2N7002KCT-ND/2060375, LatestRevisionDate=29-May-2009, LatestRevisionNote="IPC-7351 Footprint Added.", PackageDescription="4-Pin SOT-343 Package 1.3 mm Pitch, 2.1 mm Lead Span", PackageReference=SOT-343, PackageVersion=Sep-2000, Part Number=2N7002K, Published=24-Mar-1999, Publisher="Altium Limited", Qty=30
R1: library part RC0805FR070RL, Manufacturer=YAGEO, Rated Voltage=0.125W, Tolerance=0.01, Material=FR-07, Part Number=RC0805FR070RL
R2 R11 R17 R19 R20 R21 R22 R23 R24 R25 R26 R40 R43: library part RC0805FR0710KL, Manufacturer=YAGEO, Rated Voltage=0.125W, Tolerance=0.01, Material=FR-07, Part Number=RC0805FR0710KL
R3: library part RC0805FR071ML, Manufacturer=YAGEO, Rated Voltage=0.125W, Tolerance=0.01, Material=FR-07, Part Number=RC0805FR071ML
R4 R12 R13: library part 3296W-1-103LF, Digikey Part Number=3296W-103LF-ND, Manufacturer="Bournes Inc", Rated Voltage=0.5W, Tolerance=0.1, Part Number=3296W-1-103LF
R6 R8: library part RC0805FR0720KL, Manufacturer=YAGEO, Rated Voltage=0.125W, Tolerance=0.01, Material=FR-07, Part Number=RC0805FR0720KL
R7 R32: library part RC0805FR071K5L, Manufacturer=YAGEO, Rated Voltage=0.125W, Tolerance=0.01, Material=FR-07, Part Number=RC0805FR071K5L
R9 R10: library part RC0805FR073K3L, Manufacturer=YAGEO, Rated Voltage=0.125W, Tolerance=0.01, Material=FR-07, Part Number=RC0805FR073K3L
R14 R15 R16 R48 R49: library part RC0805FR07680RL, Manufacturer=YAGEO, Rated Voltage=0.125W, Tolerance=0.01, Material=FR-07, Part Number=RC0805FR07680RL
R18: library part RC0805FR07100RL, Manufacturer=YAGEO, Rated Voltage=0.125W, Tolerance=0.01, Material=FR-07, Part Number=RC0805FR07100RL
R27 R29: library part RC0805FR07200RL, Manufacturer=YAGEO, Rated Voltage=0.125W, Tolerance=0.01, Material=FR-07, Part Number=RC0805FR07200RL
R28 R30: library part RC0805FR071KL, Manufacturer=YAGEO, Rated Voltage=0.125W, Tolerance=0.01, Material=FR-07, Part Number=RC0805FR071KL
R31: library part RC0805FR0710ML, Manufacturer=YAGEO, Rated Voltage=0.125W, Tolerance=0.01, Material=FR-07, Part Number=RC0805FR0710ML
R34 R35: library part RC0805FR0720RL, Manufacturer=YAGEO, Rated Voltage=0.125W, Tolerance=0.01, Material=FR-07, Part Number=RC0805FR0720RL
R36 R37: library part RC0805FR075K1L, Manufacturer=YAGEO, Rated Voltage=0.125W, Tolerance=0.01, Material=FR-07, Part Number=RC0805FR075K1L
R38 R39: library part RC0805FR0710KL, Digikey Part Number=311-10.0KCRCT-ND, Manufacturer=YAGEO, Rated Voltage=0.125W, Tolerance=0.01, Material=FR-07, Part Number=RC0805FR0710KL
R44: library part NTCS0805E3103FLT, Digikey Part Number=BC2733CT-ND, Manufacturer="Vishay Beyschlag", Rated Voltage=210mW, Tolerance=0.01, Part Number=NTCS0805E3103FLT
R45 R46 R47: library part RC0805FR07510RL, Manufacturer=YAGEO, Rated Voltage=0.125W, Tolerance=0.01, Material=FR-07, Part Number=RC0805FR07510RL
"Sensors Plug": library part DT13-6P[[/\]]DT13-6P, Digikey Part Number=1734-1025-ND, Angle=90, Contact="Copper Alloy", Digikey Link=https://www.digikey.com/product-detail/en/te-connectivity-deutsch-connectors/DT13-6P/1734-1025-ND/6566589, Flange=Yes, Part Number=DT13-6P, Pitch=4.44mm, Positions=6, Row Spacing=6.35mm
SERIAL: library part "TH 2.54mm Header 1x4", Angle=0, Contact=NA, Flange=No, Part Number="TH 2.54mm Header 1x4", Pitch=2.54mm, Positions=4, Row Spacing=2.54mm
STLINK: library part "TH 2.54mm Header 2x5", Angle=0, Contact=NA, Flange=No, Part Number="TH 2.54mm Header 2x5", Pitch=2.54mm, Positions=10, Row Spacing=2.54mm
U1: "100µH @ 100kHz 2 Line Common Mode Choke Surface Mount 5.8 kOhms @ 10MHz 150mA DCR 2Ohm", Digikey Part Number=495-4598-1-ND, Inductance="100µH @ 100kHz", Manufacturer="EPCOS (TDK)", Rated Current=150mA, Digikey Link=https://www.digikey.com/product-detail/en/epcos-tdk/B82787C0104H002/495-4598-2-ND/3680998, Impedence="5.8 kOhms @ 10MHz", Material=Wirewound, Part Number=B82787C0104H002
U2: "Dual Line CAN Bus Protector", Digikey Part Number=NUP2105LT1GOSCT-ND, Manufacturer="ON Semiconductor", Digikey Link=https://www.digikey.com/product-detail/en/on-semiconductor/NUP2105LT1G/NUP2105LT1GOSCT-ND/1485001, Part Number=NUP2105L
U3: "Isolated CAN Transceiver", Digikey Part Number=ADM3053BRWZ-ND, Manufacturer="Analogue Devices", Digikey Link=https://www.digikey.com/product-detail/en/analog-devices-inc/ADM3053BRWZ/ADM3053BRWZ-ND/2709332, Part Number=ADM3053
U4: "IC OSC TIMER DUAL 100KHZ 14SOIC", Digikey Part Number=296-26240-1-ND, Manufacturer="Texas Instruments", Digikey Link=https://www.digikey.com/product-detail/en/texas-instruments/NE556DR/296-26240-1-ND/2254905, Part Number=NE556DR
U5: "Comparator General Purpose Open Collector 14-SOIC", Digikey Part Number=296-6611-2-ND, Manufacturer="Texas Instruments", Digikey Link=https://www.digikey.com/product-detail/en/texas-instruments/LMV339MTX-NOPB/296-35446-1-ND/3739150, Part Number=LMV339IDR
U6: "NAND Gate IC 4 Channel 14-SOIC", Digikey Part Number=296-1187-2-ND, Manufacturer="Texas Instruments", Digikey Link=https://www.digikey.com.au/product-detail/en/texas-instruments/SN74HC00DR/296-1187-2-ND/276830, Part Number=SN74HC00DR
U7: "IC SHIFT REGISTR 8BIT 3ST 16SOIC", Digikey Part Number=MC74HC595ADR2GOSCT-ND, Manufacturer="ON Semiconductor", Digikey Link=https://www.digikey.com/product-detail/en/on-semiconductor/MC74HC595ADR2G/MC74HC595ADR2GOSCT-ND/1139727, Part Number=MC74HC595ADR2G
U8: "IC GATE NAND 1CH 8-INP 14SOIC", Digikey Part Number=296-14521-1-ND, Manufacturer="Texas Instruments", Digikey Link=https://www.digikey.com/product-detail/en/texas-instruments/CD74HC30M96/296-14521-1-ND/555580, Part Number=CD74HC30M96
U9: "120µH @ 100kHz 2 Line Common Mode Choke Surface Mount 460 Ohms @ 30MHz 2.5A DCR 25mOhm", Digikey Part Number=732-1489-1-ND, Inductance="120uH @ 100kHz", Manufacturer="Wurth Electronics Inc", Rated Current=2.5A, Digikey Link=https://www.digikey.com/product-detail/en/w-rth-elektronik/744272121/732-1489-1-ND/1639501, Impedence="460 Ohms @ 30MHz", Material=Wirewound, Part Number=744272121
U10: "CONV DC/DC 1A 5V OUT SIP VERT", Digikey Part Number=945-1395-5-ND, Manufacturer=Recom, Digikey Link=https://www.digikey.com.au/product-detail/en/recom-power/R-78C5.0-1.0/945-1395-5-ND/2652148, Isolation=Non-Isolated, Part Number=R-78C5.0-1.0
U11: "Isolated Module DC DC Converter 1 Output 3.3V 606mA 4.5V - 5.5V Input", Digikey Part Number=945-1764-5-ND, Input Voltage=4.5V-5.5V, Manufacturer=Recom, Output Power=2W, Output Voltage=5V, Digikey Link=https://www.digikey.com/product-detail/en/recom-power/R2S-0505-HP/945-1764-5-ND/2302761, Efficiency=0.85, Isolation=Isolated, Part Number=R2S-0505/HP
U12: "35V 50ma Optocoupler (VF=1.2V)", Digikey Part Number=160-1893-2-ND, Manufacturer="Lite-On Inc", Digikey Link=https://www.digikey.com/product-detail/en/lite-on-inc/LTV-817S-TA1/160-1893-2-ND/388451, Part Number=LTV-817S-TA1
U13 U15: "Isolation Amplifier 1 Circuit Differential 8-SO", Digikey Part Number=516-2578-5-ND, Manufacturer="Broadcom Limited", Digikey Link=https://www.digikey.com/product-detail/en/broadcom-limited/ACPL-C870-000E/516-2578-5-ND/3523705, Part Number=ACPL-C870
U14: "IC OPAMP GP 4 CIRCUIT 14SOIC", Digikey Part Number=296-1390-5-ND, Manufacturer="Texas Instruments", Digikey Link=https://www.digikey.com/product-detail/en/texas-instruments/LM324D/296-1390-5-ND/277039, Part Number=LM324D
U16: "ARM® Cortex®-M3 STM32F1 Microcontroller IC 32-Bit 72MHz 64KB (64K x 8) FLASH", Digikey Part Number=497-6063-ND, Manufacturer=STMicroelectronics, Digikey Link=https://www.digikey.com/product-detail/en/stmicroelectronics/STM32F103C8T6/497-6063-ND/1646338, Part Number=STM32F103C8T6
U17: "IC REG LINEAR 3.3V 300MA SOT23-5", Digikey Part Number=1028-1014-1-ND, Manufacturer=Richtek, Digikey Link=https://www.digikey.com/products/en?keywords=1028-1014-1-ND, Part Number=RT9193-33GB
"Universal Plug": library part DT13-12P[[/\]]DT13-12P, Digikey Part Number=1734-1451-ND, Angle=90, Contact=Nickel, Digikey Link=https://www.digikey.com.au/product-detail/en/te-connectivity-deutsch-connectors/DT13-12PA/1734-1451-ND/7220123, Flange=Yes, Part Number=DT13-12P, Pitch=4.44mm, Positions=12, Row Spacing=6.35mm
USB: "USB - C (Type - C) USB 2.0 Receptacle Connector 16 Position Through Hole, Right Angle", Digikey Part Number=2073-USB4085-GF-ACT-ND, Angle=90, Digikey Link=https://www.digikey.ee/product-detail/en/gct/USB4085-GF-A/2073-USB4085-GF-ACT-ND/9859733, Part Number=USB4085-GF-A
X1: library part ABLS-8.000MHZ-B4-T, Digikey Part Number=535-10212-2-ND, Load Capacitance=18pF, Manufacturer="Abracon LLC", Digikey Link=https://www.digikey.com/product-detail/en/abracon-llc/ABLS-8.000MHZ-B4-T/535-10212-2-ND/2184155, ESR=80R, Part Number=ABLS-8.000MHZ-B4-T
X2: library part "FC-135 32.7680KA-A5", Digikey Part Number=SER4103TR-ND, Load Capacitance=12.5pF, Manufacturer=EPSON, Digikey Link=https://www.digikey.com/product-detail/en/epson/FC-135-32.7680KA-A5/SER4103TR-ND/5259895, ESR=70k, Part Number="FC-135 32.7680KA-A5"

## Free pads (board coordinates)
  round 1.524 hole 3.3: 2(51.161,16.967) 2(51.161,61.9) 2(121.5,16.967) 2(121.5,117.15)

## Via types
v1: diameter 0.5, hole 0.25, Top Layer to Bottom Layer, tented both sides, 220 vias
v2: diameter 1.27, hole 0.711, Top Layer to Bottom Layer, tented both sides, 2 vias
v3: diameter 0.5, hole 0.255, Top Layer to Bottom Layer, tented both sides, 1 vias

## Nets (pads, with @x,y where several pads share a name; then routed paths per layer and width w, separated by ;. In a path a pad name is that pad's centre, name@x,y a point inside that pad or via, vN(x,y) a via of type N, cw(c..) or ccw(c..) an arc to the next point about the centre after c; other vN are vias at no path point)
0V: 0V.1 C25.1 C26.1 C27.1 C29.1 C30.1 C34.1 C35.1 C39.1 C40.1 R14.1 R27.1 R29.1 U9.3 U10.2 U11.1 U13.3 U13.4 U15.3 U15.4 | length 65.8
  Top Layer w0.254: R29.1@60.314,25.829 v1(60.314,26.927) ; R27.1@61.416,39.076 v1(61.416,40.234) ; v1(62.636,16.612) C40.1@62.636,17.707 ; C39.1@66.092,35.276 v1(66.092,36.551) ; C35.1@68.5,14.249 68.492,14.257 67.618,14.257 67.2,14.675 67.2,15.475 ; U15.4@68.694,16.764 67.414,16.764 67.2,16.55 67.2,15.475 ; U15.3@68.694,18.034 67.386,18.034 67.034,17.682 C34.1@66.092,17.682 v1(66.092,15.475) 67.2,15.475 ; C30.1@70.412,31.032 70.412,26.137 ; 70.412,26.137 70.412,25.175 70.104,24.867 U13.4@68.719,24.867 67.358,24.867 v1(66.092,23.6) C29.1@66.092,25.784 67.085,25.784 67.437,26.137 U13.3@68.719,26.137 70.412,26.137
  Top Layer w0.762: U9.3@78.725,113.594 78.725,111.772 79.171,111.325 C25.1@81.399,111.325 C26.1@83.724,111.325 v2(88.25,111.325) 88.558,111.634 92.873,111.634 93.32,111.187 93.32,107.635 93.766,107.189 95.352,107.189 ; U9.3@78.725,113.594 R14.1@78.725,117.088 ; C27.1@95.352,109.25 95.352,107.189 ; U11.1@99.797,107.189 95.352,107.189
  other v1: 58.268,14.068 58.268,20.218 45.85,24 52,24 41.4,53.242 41.4,59.392 41.4,65.5 41.4,71.65 98.73,86.766 61.417,87.563 81.28,87.703 98.73,91.745 62.179,92.516 66.396,92.617 81.28,93.853 98.73,96.723 75.325,101.9 81.475,101.9 43.381,111.296 43.381,117.446 67.517,118.337 73.667,118.337
"0V (ISO)": "0V (ISO).1" BOOT.5 BOOT.6 C10.1 C11.1 C12.1 C13.1 C14.1 C15.1 C16.1 C17.1 C18.1 C19.1 C20.1 C21.1 C22.1 C23.1 C28.1 C31.1 C32.1 C36.1 C37.1 C41.1 C42.1 C43.1 C44.1 C45.1 C46.1 C47.1 C48.1 C49.1 C50.1 C51.1 C52.1 C53.1 Q1.S Q2.S R6.2 R7.1 R8.2 R11.1 R12.1 R13.1 R15.1 R17.1 R22.1 R26.1 R36.2 R37.2 R44.1 R46.1 R47.1 SERIAL.4 STLINK.1 U3.1 U3.3 U3.7 U3.9 U3.10 U4.7 U5.12 U6.7 U7.8 U7.13 U8.7 U11.4 U13.5 U14.11 U15.5 U16.8 U16.23 U16.35 U16.47 U17.2 USB.A1 USB.A12 USB.B1 USB.B12 USB.P1 | length 136.8
  Top Layer w0.254: v1@61.183,66.777 R17.1@61.183,67.981 ; v3(61.24,55.65) R7.1@61.24,56.696 ; C15.1@63.423,60.525 v1(63.423,61.738) ; C14.1@64.312,49.941 v1(64.313,50.952) ; v1(65.055,53.583) U4.7@66.257,53.583 ; v1(66.853,70.869) U3.1@66.853,72.492 ; v1(69.393,70.869) U3.3@69.393,72.492 ; v1(73.33,64.618) 73.33,69.597 74.473,70.74 U3.7@74.473,72.492 ; U5.12@74.835,40.375 v1(76.479,40.375) ; C16.1@76.509,57.393 v1(77.782,57.393) ; C17.1@76.528,59.55 v1(77.775,59.55) ; R6.2@76.586,55.456 v1(77.864,55.456) ; U3.9@77.013,72.492 77.013,70.869 77.232,70.65 77.648,70.65 ; v1(77.435,31.459) C18.1@77.435,32.733 ; v1(77.951,64.616) C10.1@77.951,65.965 77.951,69.749 77.648,70.052 77.648,70.65 ; U3.10@78.283,72.492 78.283,70.869 78.064,70.65 77.648,70.65 ; U15.5@79.439,16.764 v1(81.077,16.764) ; U13.5@79.464,24.867 v1(81.077,24.867) ; R8.2@82.933,41.911 v1(82.933,43.229) ; v1(83.312,58.684) C43.1@84.585,58.684 ; v1(83.851,61.062) 83.922,61.062 84.34,60.644 87.427,60.644 U16.35@87.433,60.638 ; C23.1@84.122,44.667 R13.1@84.122,47.969 ; C36.1@84.274,20.575 87.032,20.575 87.292,20.314 C37.1@91.719,20.314 ; C31.1@84.274,28.677 v1(87.02,28.677) 87.306,28.391 C32.1@91.719,28.391 ; v1(85.935,32.729) U6.7@87.415,32.729 ; C42.1@87.732,72.66 v1(87.732,73.915) ; U16.23@89.633,67.338 89.633,68.366 89.782,68.515 v1(90.155,68.515) ; v1(94.133,55.507) U16.47@94.133,58.438 ; v1(94.31,64.033) 94.706,63.638 U16.8@96.133,63.638 ; C22.1@94.485,44.667 R12.1@94.485,47.969 ; U7.13@96.146,34.685 v1(97.536,34.685) ; C19.1@96.497,42.051 v1(97.746,42.051) ; v1(97.688,72.999) C51.1@98.911,72.999 ; v1(98.487,66.193) R46.1@98.487,67.338 ; C44.1@98.625,55.805 100.863,55.805 101.016,55.651 102.762,55.651 v1(102.765,55.648) C41.1@102.765,57.252 ; v1(100.279,21.387) U14.11@101.568,21.387 ; v1(100.799,66.193) R47.1@100.799,67.338 ; U7.8@102.176,39.765 103.664,39.765 ; v1(102.667,41.199) 103.664,40.201 103.664,39.765 ; U8.7@104.757,39.765 103.664,39.765 ; R44.1@104.873,67.133 v1(106.807,67.133) ; C50.1@108.33,77.192 v1(108.33,78.715) ; C46.1@108.356,62.382 v1(108.356,63.576) ; v1(108.419,50.925) C45.1@108.419,52.096 ; v1(109.507,34.127) C21.1@109.507,35.781 ; C53.1@109.903,66.219 v1(111.277,66.219) ; C52.1@112.42,68.761 112.42,67.386 v1(114.712,67.386) 114.736,67.386 114.954,67.604 114.954,68.79 C49.1@114.963,68.799 ; v1(112.656,34.127) R11.1@112.656,35.755 ; v1(113.259,73.442) U17.2@114.783,73.442 ; v1(113.866,41.528) 114.883,41.528 R37.2@114.91,41.554 ; C20.1@113.967,47.398 v1@115.445,47.398 ; Q1.S@114.64,76.521 v1(116.805,76.521) ; v1(114.64,89.652) Q2.S@114.64,91.076 ; C48.1@116.901,62.397 v1(116.901,63.898) ; v1(116.916,50.69) C47.1@116.916,52.042 ; v1@117.829,28.979 R36.2@117.829,30.276 ; USB.A12@120.15,40.052 USB.B1@121.5,40.052
  Top Layer w0.762: U11.4@107.264,107.185 107.264,109.5 109.053,111.289 C28.1@111.862,111.289 111.862,109.54 112.308,109.094 v1(113.665,109.094) 114.955,110.384 R15.1@114.955,112.018
  other v1: 106.925,16.925 113.375,16.925 87.02,20.575 93.726,20.98 79.654,22.631 106.925,23.075 113.375,23.075 117.83,28.979 71.018,42.697 115.468,47.398 61.849,52.146 94.742,53.391 80.315,54.254 80.315,58.395 123.8,59.919 115.037,65.303 99.644,65.862 61.189,66.777 83.998,68.12 108.687,71.069 65.43,71.247 83.998,74.27 117.45,78.156 114.529,105.308 107.467,113.598 109.728,117.204